# KiCad board splitsies_v3_THT.kicad_pcb
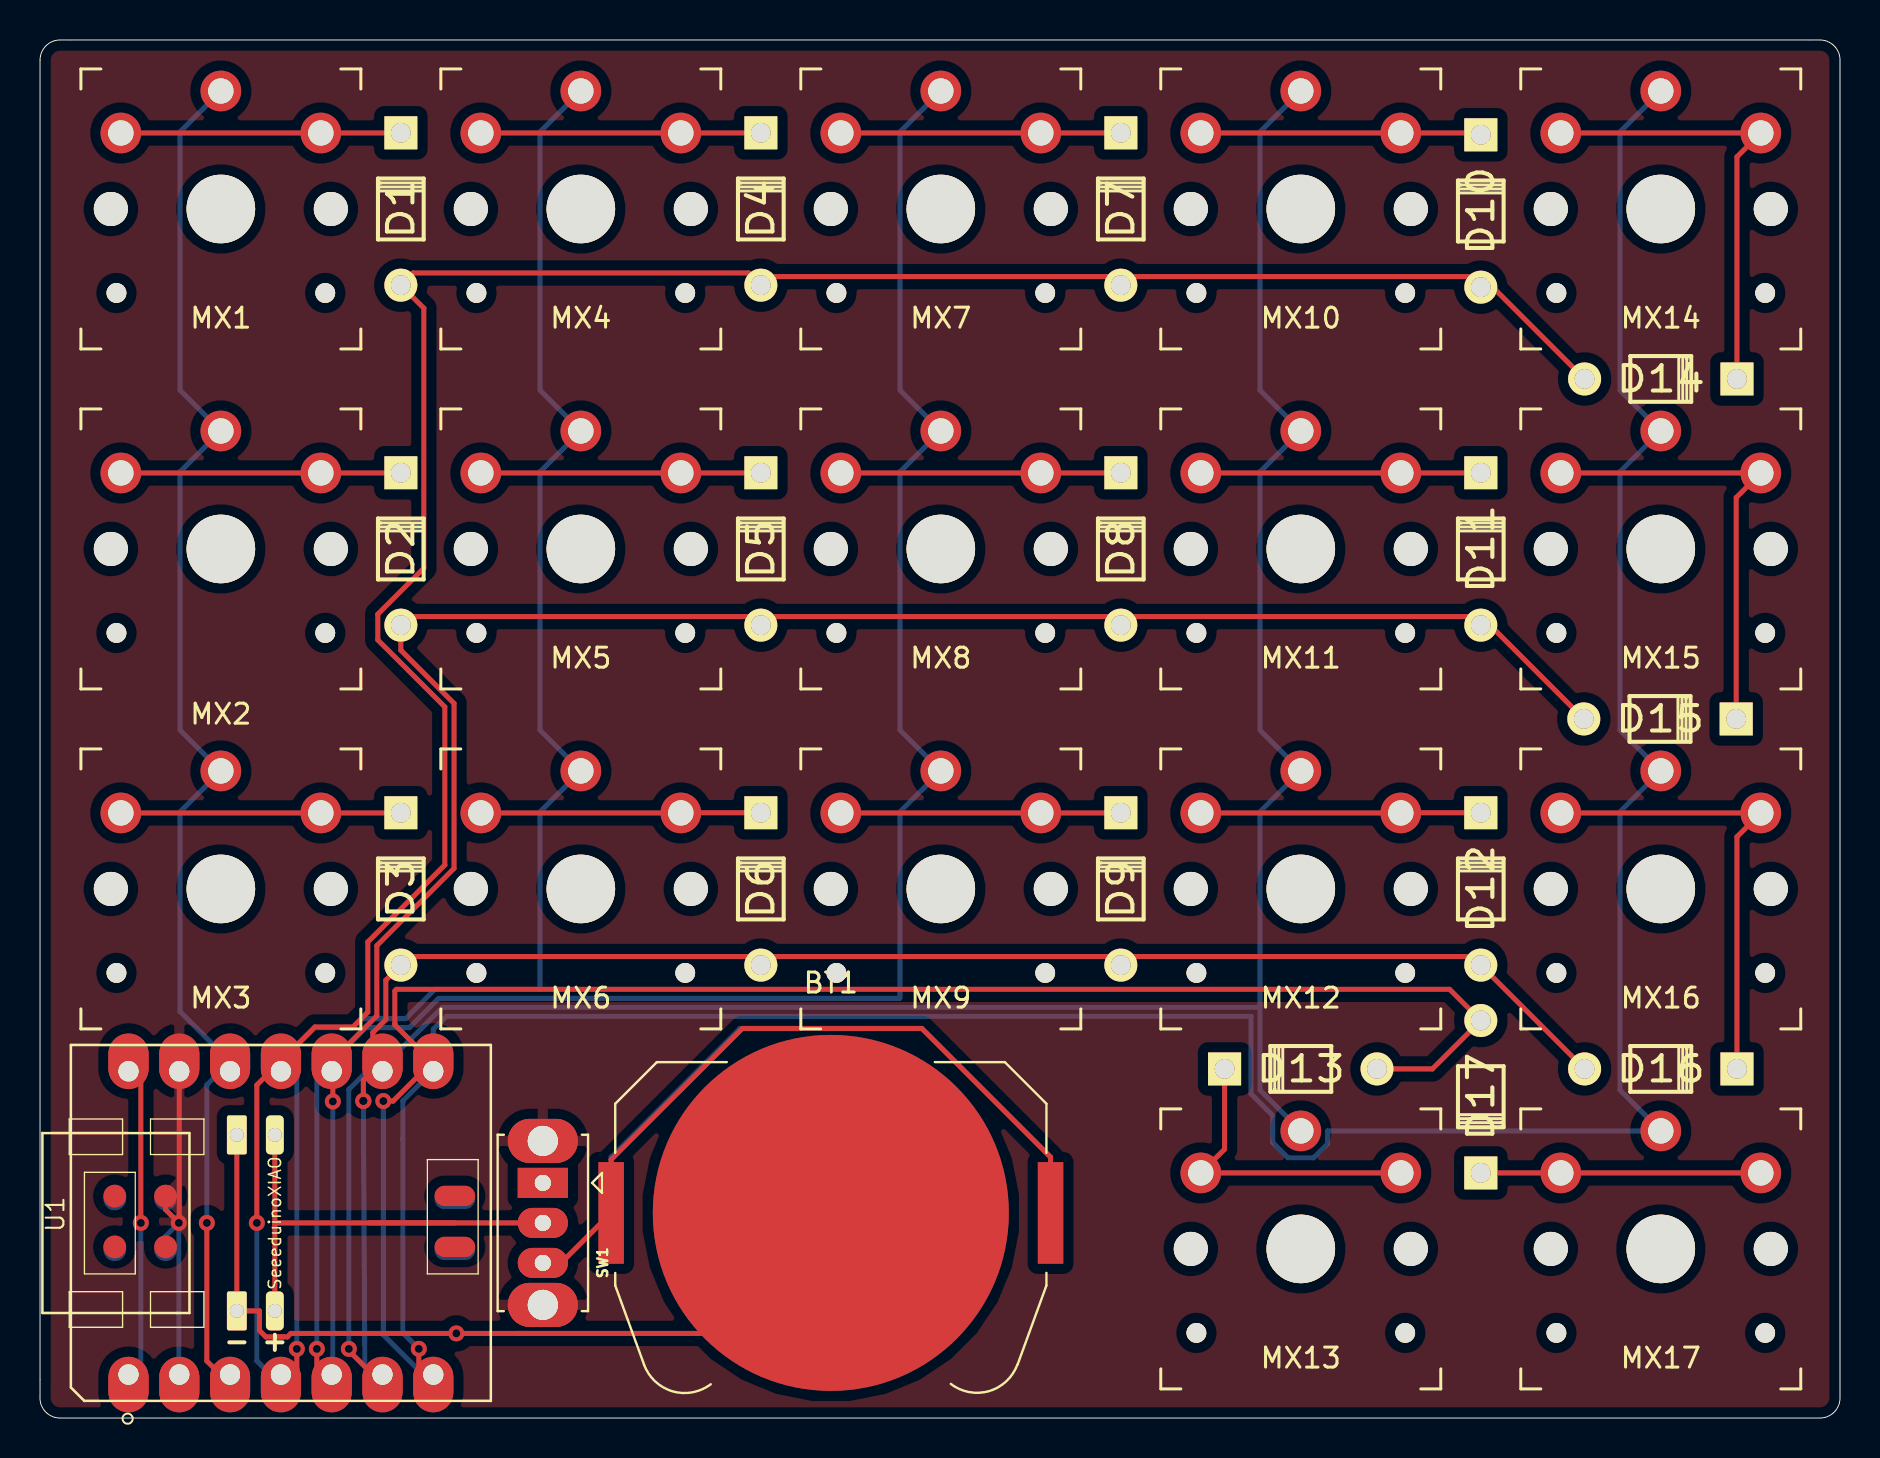
[diagram p0: board, top side]
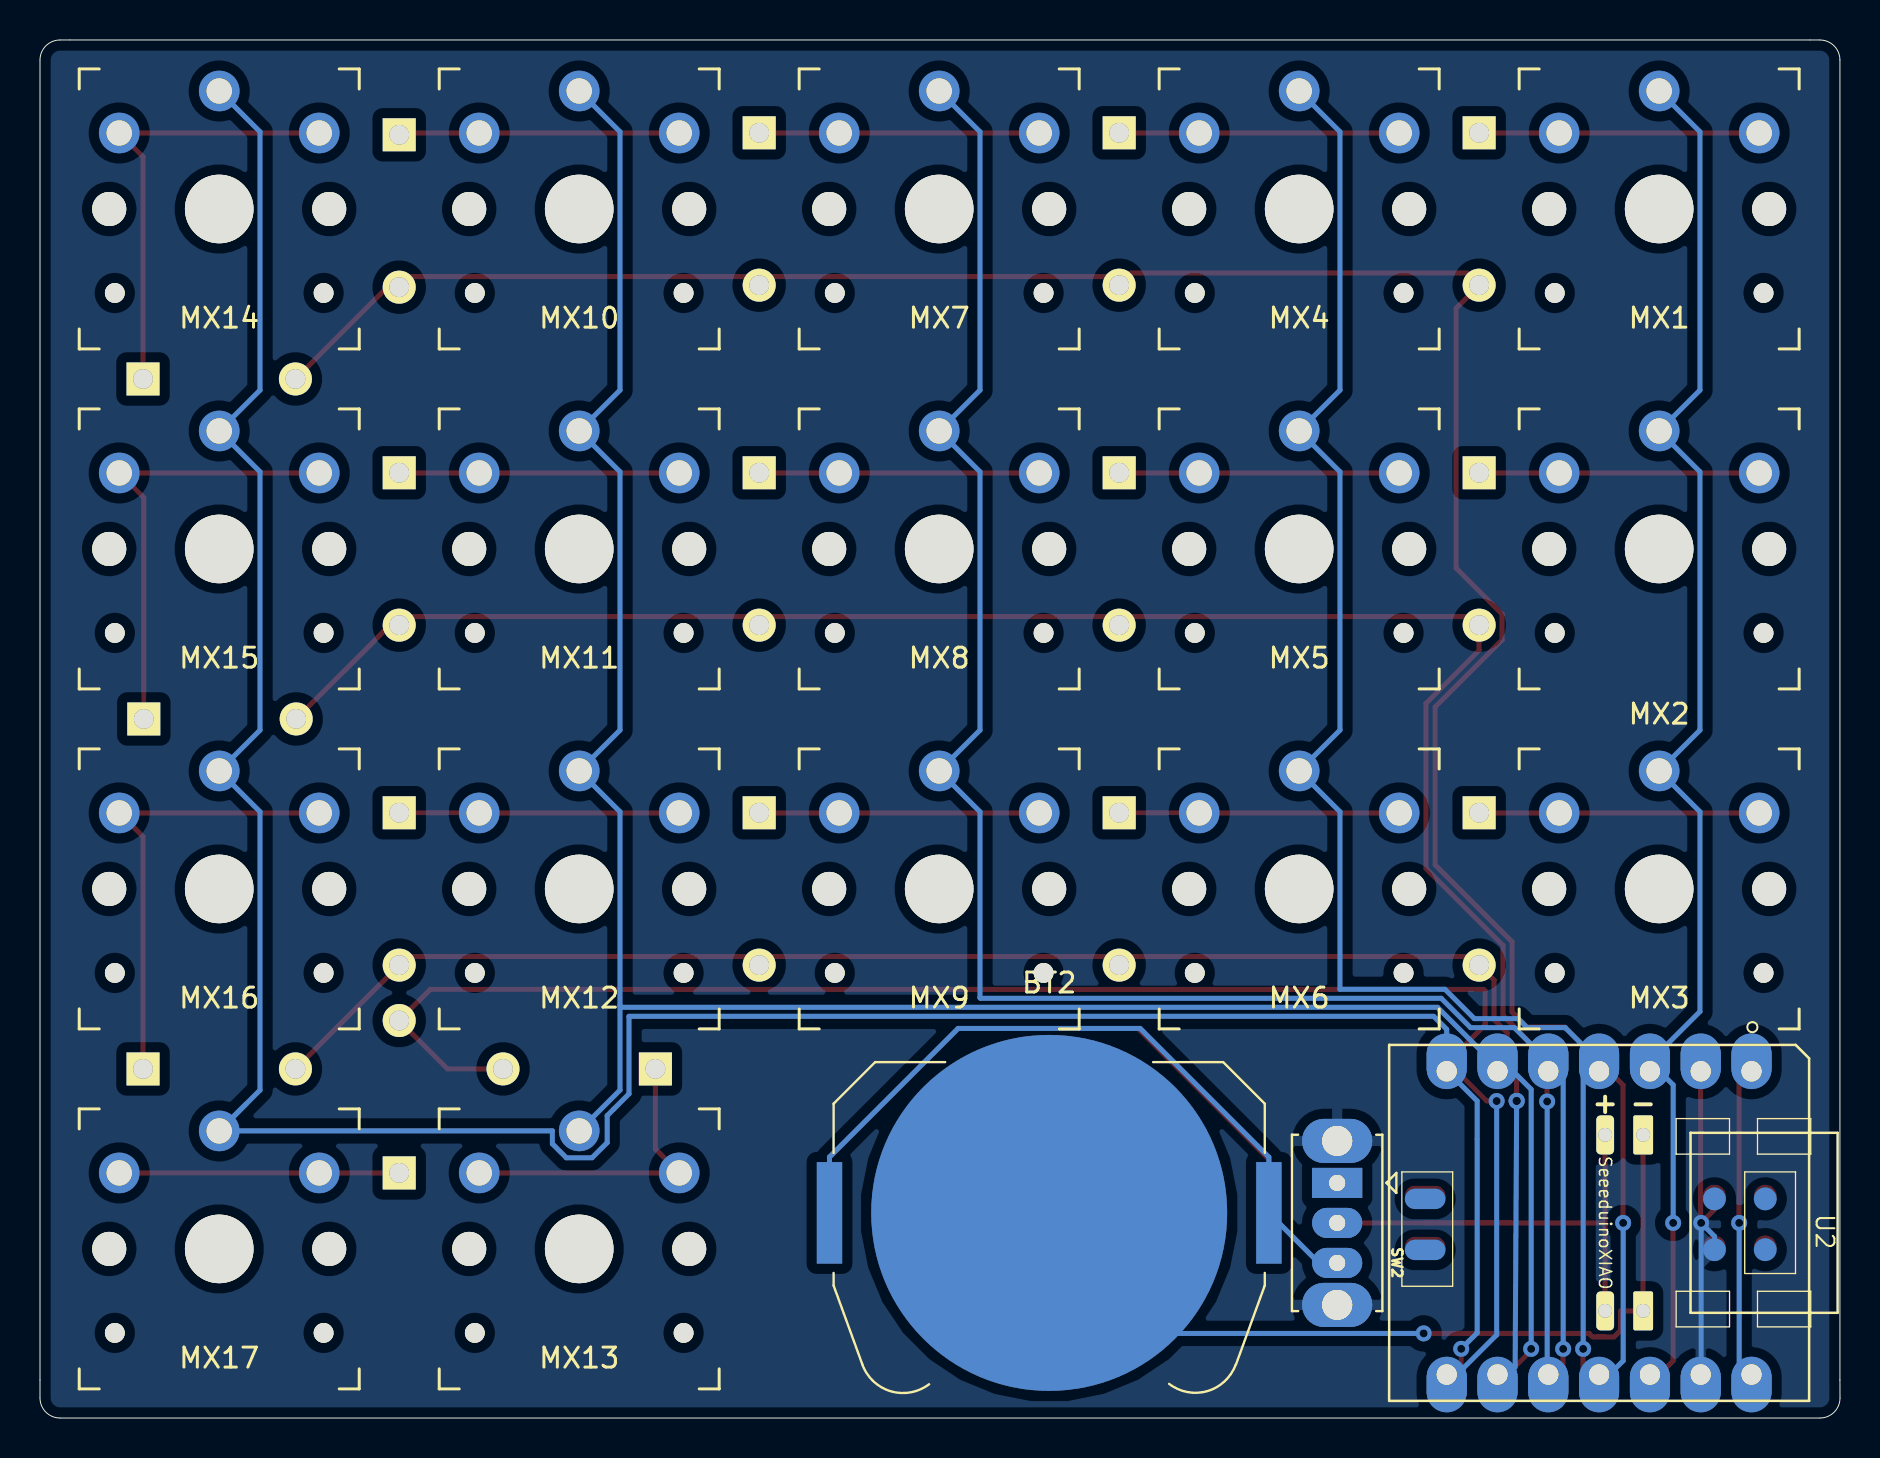
[diagram p1: board, bottom side, seen from below]

Outline 90 x 68.91 mm; copper layers: Top, Bottom. Coordinates in mm from the lower left corner of the outline.
Outline path: 0,67.91 arc(0.3,68.61) 1,68.91 89,68.91 arc(89.71,68.61) 90,67.91 90,1 arc(89.71,0.29) 89,0 1,0 arc(0.29,0.29) 0,1 0,1.91 0,67.91

## Placement (name value [footprint] x y rotation side)
BAT+  +  [SinglePad]  11.74 5.36 0 top
BAT+#2  +  [SinglePad]  11.74 14.16 0 bottom
BAT-  -  [SinglePad#2]  9.84 5.36 0 top
BAT-#2  -  [SinglePad#2]  9.84 14.16 0 bottom
BT1  Battery_Cell  [BatteryHolder_Keystone_3034_1x20mm]  39.54 10.26 0 top
BT2  Battery_Cell  [BatteryHolder_Keystone_3034_1x20mm]  39.54 10.26 180 bottom
D1  1N4148W  [Diode]  18.04 60.46 90 top
D2  1N4148W  [Diode]  18.04 43.46 90 top
D3  1N4148W  [Diode]  18.04 26.46 90 top
D4  1N4148W  [Diode]  36.04 60.46 90 top
D5  1N4148W  [Diode]  36.04 43.46 90 top
D6  1N4148W  [Diode]  36.04 26.46 90 top
D7  1N4148W  [Diode]  54.04 60.46 90 top
D8  1N4148W  [Diode]  54.04 43.46 90 top
D9  1N4148W  [Diode]  54.04 26.46 90 top
D10  1N4148W  [Diode]  72.04 60.36 90 top
D11  1N4148W  [Diode]  72.04 43.46 90 top
D12  1N4148W  [Diode]  72.04 26.46 90 top
D13  1N4148W  [Diode]  63.04 17.46 180 top
D14  1N4148W  [Diode]  81.04 51.96 0 top
D15  1N4148W  [Diode]  81 34.96 0 top
D16  1N4148W  [Diode]  81.04 17.46 0 top
D17  1N4148W  [Diode]  72.04 16.07 270 top
MX1  MX-NoLED  [SW_PG1350_reversible]  9.04 60.46 180 top
MX2  MX-NoLED  [SW_PG1350_reversible]  9.04 43.46 180 top
MX3  MX-NoLED  [SW_PG1350_reversible]  9.04 26.46 180 top
MX4  MX-NoLED  [SW_PG1350_reversible]  27.04 60.46 180 top
MX5  MX-NoLED  [SW_PG1350_reversible]  27.04 43.46 180 top
MX6  MX-NoLED  [SW_PG1350_reversible]  27.04 26.46 180 top
MX7  MX-NoLED  [SW_PG1350_reversible]  45.04 60.46 180 top
MX8  MX-NoLED  [SW_PG1350_reversible]  45.04 43.46 180 top
MX9  MX-NoLED  [SW_PG1350_reversible]  45.04 26.46 180 top
MX10  MX-NoLED  [SW_PG1350_reversible]  63.04 60.46 180 top
MX11  MX-NoLED  [SW_PG1350_reversible]  63.04 43.46 180 top
MX12  MX-NoLED  [SW_PG1350_reversible]  63.04 26.46 180 top
MX13  MX-NoLED  [SW_PG1350_reversible]  63.04 8.46 180 top
MX14  MX-NoLED  [SW_PG1350_reversible]  81.04 60.46 180 top
MX15  MX-NoLED  [SW_PG1350_reversible]  81.04 43.46 180 top
MX16  MX-NoLED  [SW_PG1350_reversible]  81.04 26.46 180 top
MX17  MX-NoLED  [SW_PG1350_reversible]  81.04 8.46 180 top
SW1  SW_SPDT  [SW_Slide_1P2T_CK_OS102011MS2Q]  25.14 11.76 270 top
SW2  SW_SPDT  [SW_Slide_1P2T_CK_OS102011MS2Q]  25.14 11.76 270 bottom
U1  SeeeduinoXIAO  [Seeeduino XIAO-MOUDLE14P-2.54-21X17.8MM]  22.54 0.86 90 top
U2  SeeeduinoXIAO  [Seeeduino XIAO-MOUDLE14P-2.54-21X17.8MM]  22.54 18.66 270 bottom

## Footprints (pads in the part's own frame, mm; a bottom-side part is the same pattern mirrored in y, then rotated)
BatteryHolder_Keystone_3034_1x20mm
  rect 1.27x5.08 smd: 1(-10.985,0) 1(10.985,0)
  round 17.8 smd: 2(0,0)
Diode
  round 1.651 hole 0.991: 1(-3.81,0)
  rect 1.651x1.651 hole 0.991: 2(3.81,0)
Seeeduino XIAO-MOUDLE14P-2.54-21X17.8MM
  oval 2.748x1.999 hole 1: 1(1.333,18.118) 2(1.333,15.578) 3(1.333,13.038) 4(1.333,10.498) 5(1.333,7.958) 6(1.333,5.418) 7(1.333,2.878) 8(16.498,2.878) 9(16.498,5.418) 10(16.498,7.958) 11(16.498,10.498) 12(16.498,13.038) 13(16.498,15.578) 14(16.498,18.118)
  oval 1.016x2.032 smd: 15(7.7,1.8) 16(10.25,1.8)
  round 1.143 smd: 17(7.699,18.804) 18(10.239,18.804) 19(7.699,16.264) 20(10.239,16.264)
SinglePad
  rrect 0.892x1.953 hole 0.692: 2(0,0)
SinglePad#2
  rrect 0.992x1.953 hole 0.692: 1(0,0)
SW_PG1350_reversible
  round 1.702 hole 1.702 unplated: (-5.5,0) (5.5,0)
  round 0.991 hole 0.991 unplated: (-5.22,4.2) (5.22,4.2)
  round 3.429 hole 3.429 unplated: (0,0)
  round 2.032 hole 1.27: 1(0,-5.9) 2(-5,-3.8) 2(5,-3.8)
SW_Slide_1P2T_CK_OS102011MS2Q
  oval 2.2x3.5 hole 1.5: (-2.1,0) (6.1,0)
  rect 1.5x2.5 hole 0.8: 1(0,0)
  oval 1.5x2.5 hole 0.8: 2(2,0) 3(4,0)

## Nets
+5V: U1.14 U2.14
GND: SW1. SW2. U1.13 U1.20 U2.13 U2.20
BAT+: BAT+.2 BAT+#2.2 SW1.2 SW2.2
BAT-: BAT-.1 BAT-#2.1 BT1.2 BT2.2
C1: MX1.1 MX2.1 MX3.1 U1.3 U2.3
C2: MX4.1 MX5.1 MX6.1 U1.4 U2.4
C3: MX7.1 MX8.1 MX9.1 U1.5 U2.5
C4: MX10.1 MX11.1 MX12.1 MX13.1 U1.6 U2.6
C5: MX14.1 MX15.1 MX16.1 MX17.1 U1.7 U2.7
R1: D1.1 D4.1 D7.1 D10.1 D14.1 U1.11 U2.11
R2: D2.1 D5.1 D8.1 D11.1 D15.1 U1.10 U2.10
R3: D3.1 D6.1 D9.1 D12.1 D16.1 U1.9 U2.9
R4: D13.1 D17.1 U1.8 U2.8
Net-(BT1-Pad1): BT1.1 BT2.1 SW1.3 SW2.3
Net-(D1-Pad2): D1.2 MX1.2
Net-(D2-Pad2): D2.2 MX2.2
Net-(D3-Pad2): D3.2 MX3.2
Net-(D4-Pad2): D4.2 MX4.2
Net-(D5-Pad2): D5.2 MX5.2
Net-(D6-Pad2): D6.2 MX6.2
Net-(D7-Pad2): D7.2 MX7.2
Net-(D8-Pad2): D8.2 MX8.2
Net-(D9-Pad2): D9.2 MX9.2
Net-(D10-Pad2): D10.2 MX10.2
Net-(D11-Pad2): D11.2 MX11.2
Net-(D12-Pad2): D12.2 MX12.2
Net-(D13-Pad2): D13.2 MX13.2
Net-(D14-Pad2): D14.2 MX14.2
Net-(D15-Pad2): D15.2 MX15.2
Net-(D16-Pad2): D16.2 MX16.2
Net-(D17-Pad2): D17.2 MX17.2
Net-(SW1-Pad3): SW1.1 SW2.1
Net-(U1-Pad1): U1.1
Net-(U1-Pad2): U1.2
Net-(U1-Pad12): U1.12
Net-(U1-Pad15): U1.15
Net-(U1-Pad16): U1.16
Net-(U1-Pad17): U1.17
Net-(U1-Pad18): U1.18
Net-(U1-Pad19): U1.19
Net-(U2-Pad1): U2.1
Net-(U2-Pad2): U2.2
Net-(U2-Pad12): U2.12
Net-(U2-Pad15): U2.15
Net-(U2-Pad16): U2.16
Net-(U2-Pad17): U2.17
Net-(U2-Pad18): U2.18
Net-(U2-Pad19): U2.19

## Via types
v1: diameter 0.8, hole 0.4, Top to Bottom, 13 vias

## Routing (per net, layer and track width the routed paths; a pad name or vN(x,y) marks a point on that pad's centre or on a via; arc(x,y) is an arc through that point)
+5V: length 16.7
  Top w0.25: v1(5.04,9.76) 5.04,17.24 4.43,17.85
  Bottom w0.25: 4.43,1.66 5.04,2.28 v1(5.04,9.76)
GND: length 19.4
  Top w0.25: U1.20 6.28,10.42 v1(6.94,9.76) 6.97,9.78 6.97,17.85
  Bottom w0.25: U2.20 6.28,9.09 v1(6.94,9.76) 6.94,1.68 6.97,1.66
BAT+: length 26.5
  Top w0.25: 20.74,9.76 11.84,9.76 11.74,9.66 ; 20.74,9.76 16.44,9.76 ; 20.74,9.76 SW1.2 ; 11.74,9.66 BAT+.2 ; 11.74,9.66 BAT+#2.2
BAT-: length 72.6
  Top w0.25: 24.27,4.23 v1(20.82,4.23) 12.54,4.23 12.37,4.05 11.74,4.05 ; 24.27,4.23 23.9,4.23 ; 24.27,4.23 33.52,4.23 BT1.2 ; 11.74,4.05 11.29,4.05 10.97,4.38 10.97,5.36 BAT-.1 BAT-#2.1 ; 11.74,4.05 12.19,4.05 ; 9.94,5.3 9.94,5.36 ; 37.18,7.3 40.14,10.26
  Bottom w0.25: 37.18,7.3 40.14,10.26 ; v1(20.82,4.23) 33.52,4.23 BT1.2
C1: length 70.9
  Top w0.25: v1(8.34,9.76) 8.34,9.75 8.34,2.85 9.51,1.69
  Bottom w0.25: MX1.1 7,64.32 7,51.39 MX2.1 7,47.32 7,34.39 MX3.1 7,30.32 7,20.32 9.51,17.82 8.34,16.66 8.34,9.76 v1(8.34,9.76)
C2: length 80.4
  Top w0.25: 12.05,1.69 12.84,2.49 v1(12.84,3.46)
  Bottom w0.25: v1(12.84,3.46) 12.84,17.02 12.05,17.82 13.74,19.52 15.65,19.52 16.1,19.97 18.29,19.97 19.75,21.44 25,21.44 25,30.32 MX6.1 25,34.39 25,47.32 MX5.1 25,51.39 25,64.32 MX4.1
C3: length 96.1
  Top w0.25: 14.59,1.69 13.84,2.43 v1(13.84,3.46)
  Bottom w0.25: MX7.1 43,64.32 43,51.39 MX8.1 43,47.32 43,34.39 MX9.1 43,30.32 43,21.02 42.97,20.99 19.94,20.99 18.47,19.52 16.28,19.52 13.84,17.08 v1(13.84,3.46)
C4: length 119.8
  Top w0.25: 17.13,1.69 15.44,3.37 v1(15.44,3.46)
  Bottom w0.25: 61,20.62 60.92,20.54 20.12,20.54 17.41,17.82 16.83,17.82 15.44,16.43 v1(15.44,3.46) ; 61,20.62 61,16.39 MX13.1 ; 61,20.62 61,30.32 MX12.1 61,34.39 61,47.32 MX11.1 61,51.39 61,64.32 MX10.1
C5: length 147.3
  Top w0.25: 19.41,1.69 19.67,1.69 ; 19.67,1.69 19.5,1.69 ; 19.67,1.69 19.37,1.69 ; 19.67,1.69 18.94,2.41 v1(18.94,3.46)
  Bottom w0.25: v1(18.94,3.46) 18.14,4.26 18.14,15.86 19.67,17.38 19.67,19.43 20.32,20.09 60.55,20.09 60.55,16.21 61.64,15.12 61.64,13.77 62.4,13.01 63.69,13.01 64.38,13.71 64.38,14.36 MX17.1 ; MX14.1 79,64.32 79,51.39 MX15.1 79,47.32 79,34.39 MX16.1 79,30.32 79,16.39 MX17.1 ; MX17.1 79.7,15.7
R1: length 125.7
  Top w0.25: v1(10.84,9.76) 10.84,16.65 13.74,19.55 15.65,19.55 16.39,20.3 16.39,23.81 20.24,27.66 20.24,35.56 16.89,38.91 16.89,40.2 19.19,42.5 19.19,55.49 D1.1 18.65,57.26 35.43,57.26 D4.1 36.47,57.08 53.61,57.08 D7.1 54.47,57.08 71.51,57.08 D10.1 72.64,56.55 D14.1
  Bottom w0.25: 12.05,1.66 10.84,2.86 v1(10.84,9.76)
R2: length 103.8
  Top w0.25: v1(14.64,15.83) 14.64,17.8 14.59,17.85 16.84,20.11 16.84,23.62 20.7,27.48 20.7,35.73 18.04,38.39 D2.1 18.47,40.08 35.61,40.08 D5.1 36.47,40.08 53.61,40.08 D8.1 54.47,40.08 71.61,40.08 D11.1 72.5,39.65 D15.1
  Bottom w0.25: v1(14.64,15.83) 14.64,1.72 14.59,1.66
R3: length 86.2
  Top w0.25: D16.1 D12.1 71.61,23.08 54.47,23.08 D9.1 53.61,23.08 36.47,23.08 D6.1 35.61,23.08 18.47,23.08 D3.1 17.29,21.9 17.29,19.92 16.64,19.27 16.64,18.36 17.13,17.87 17.13,17.85 16.17,16.9 v1(16.17,15.86)
  Bottom w0.25: v1(16.17,15.86) 16.24,2.66 17.13,1.66 16.24,2.54
R4: length 84.1
  Top w0.25: v1(17.17,15.85) 17.66,15.85 19.67,17.85 19.55,17.85 17.74,19.66 17.74,19.74 17.74,21.36 17.82,21.44 70.48,21.44 D17.1 69.62,17.46 D13.1 66.84,17.45
  Bottom w0.25: v1(17.17,15.85) 17.17,4.15 19.67,1.66
Net-(BT1-Pad1): length 74.6
  Top w0.25: SW1.3 26.06,7.76 BT1.1 28.56,12.92 35.11,19.48 44.09,19.48 50.53,13.05 BT1.1
  Bottom w0.25: SW1.3 26.06,7.76 BT1.1 28.56,13.05 34.99,19.48 44.09,19.48 50.53,13.05 BT1.1
Net-(D1-Pad2): length 14
  Top w0.25: D1.2 18.03,64.26 MX1.2 MX1.2
Net-(D2-Pad2): length 14
  Top w0.25: MX2.2 MX2.2 18.03,47.26 D2.2
Net-(D3-Pad2): length 14
  Top w0.25: D3.2 18.03,30.26 MX3.2 MX3.2
Net-(D4-Pad2): length 14
  Top w0.25: D4.2 36.03,64.26 MX4.2 MX4.2
Net-(D5-Pad2): length 14
  Top w0.25: MX5.2 MX5.2 36.03,47.26 D5.2
Net-(D6-Pad2): length 14
  Top w0.25: D6.2 32.05,30.27 MX6.2 MX6.2
Net-(D7-Pad2): length 14
  Top w0.25: MX7.2 MX7.2 54.03,64.26 D7.2
Net-(D8-Pad2): length 14
  Top w0.25: MX8.2 MX8.2 54.03,47.26 D8.2
Net-(D9-Pad2): length 14
  Top w0.25: D9.2 54.03,30.26 MX9.2 MX9.2
Net-(D10-Pad2): length 14
  Top w0.25: D10.2 71.95,64.26 MX10.2 MX10.2
Net-(D11-Pad2): length 14
  Top w0.25: D11.2 72.03,47.26 MX11.2 MX11.2
Net-(D12-Pad2): length 14
  Top w0.25: MX12.2 MX12.2 68.05,30.27 D12.2
Net-(D13-Pad2): length 15.7
  Top w0.25: D13.2 59.23,13.45 MX13.2 MX13.2
Net-(D14-Pad2): length 22.8
  Top w0.25: MX14.2 MX14.2 84.85,63.07 D14.2
Net-(D15-Pad2): length 22.8
  Top w0.25: MX15.2 MX15.2 84.81,46.03 D15.2
Net-(D16-Pad2): length 23.3
  Top w0.25: D16.2 84.85,29.07 MX16.2 MX16.2
Net-(D17-Pad2): length 14
  Top w0.25: 72.04,12.27 72.05,12.26 MX17.2 MX17.2

## Copper pours and planes (outline as drawn; the poured copper is in the pictures)
GND on Top: 90.89,-2.25 -0.2,-1.59 -0.2,69.21 90.2,69.21
GND on Bottom: 90.96,-2.34 -0.2,-1.59 -0.2,69.21 90.2,69.21
